# Altium PCB PCB3.PcbDoc
Units mm, origin at the board's own origin, x right, y up, seen from the top; angles counter-clockwise.
Board outline 90 x 150 mm, 4 copper layers (Top Layer, Internal Plane 1, Internal Plane 2, Bottom Layer), stack 0.462 mm thick; 102 components, 77 nets, 385 pads, 121 vias.
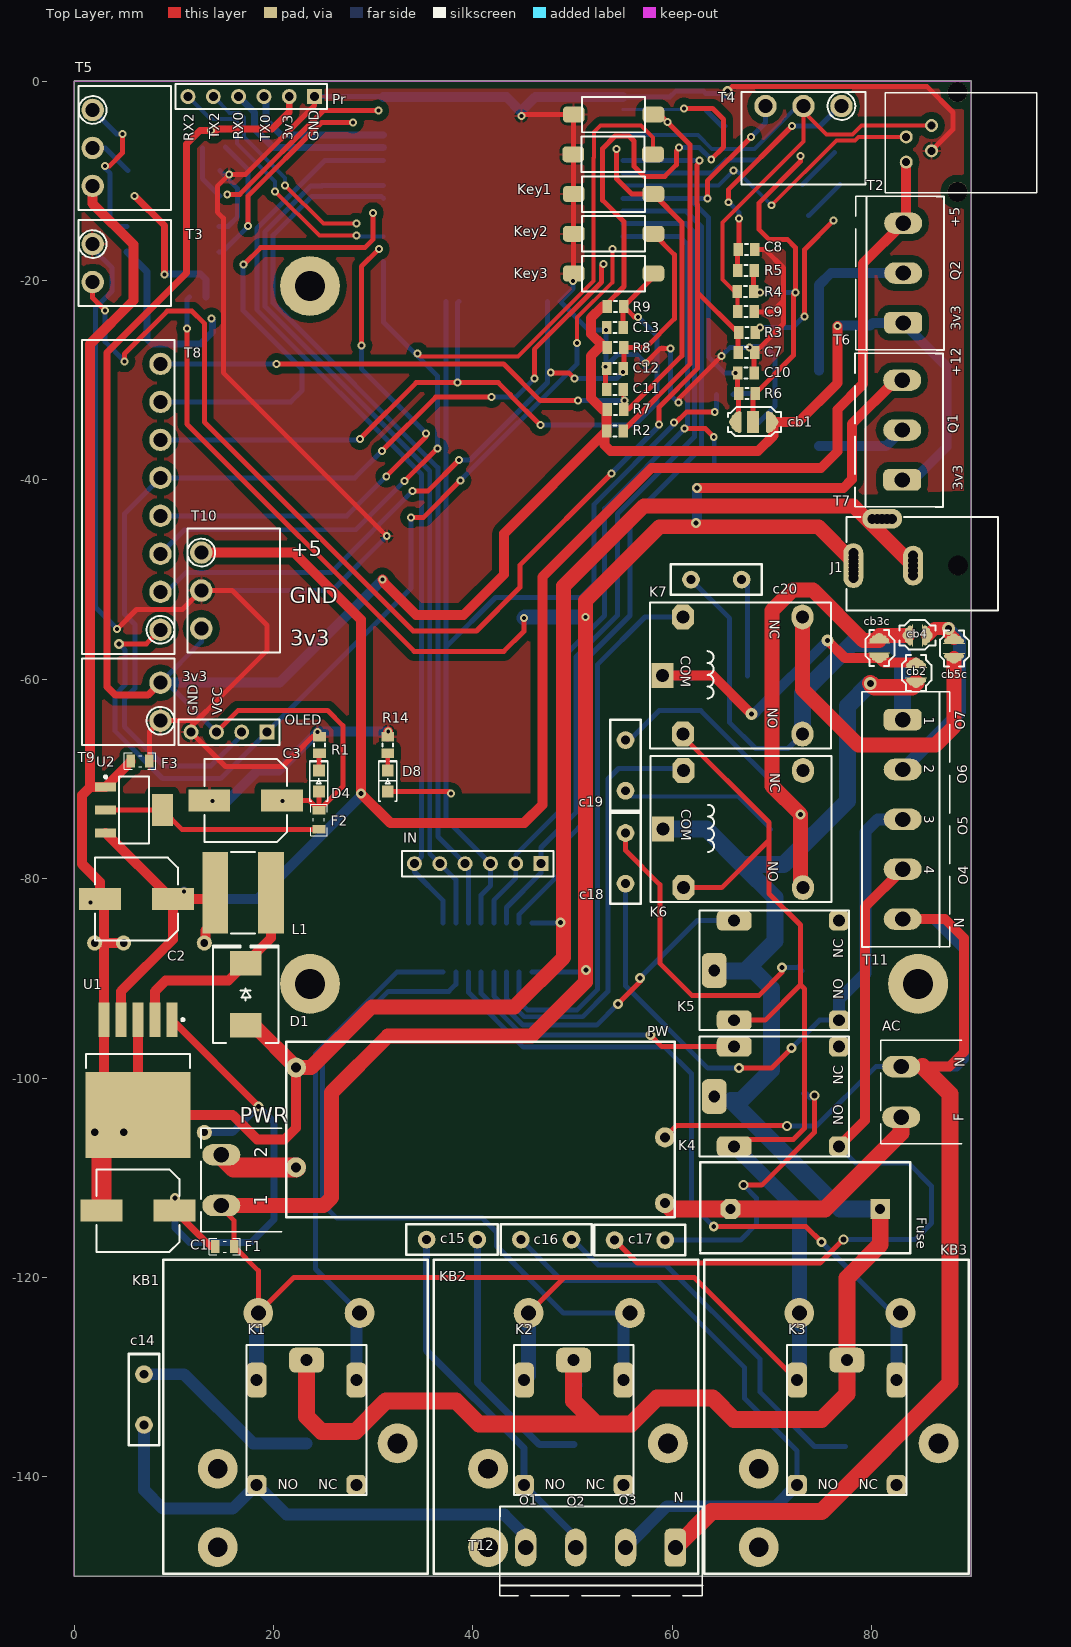
[diagram p0: Top Layer view]
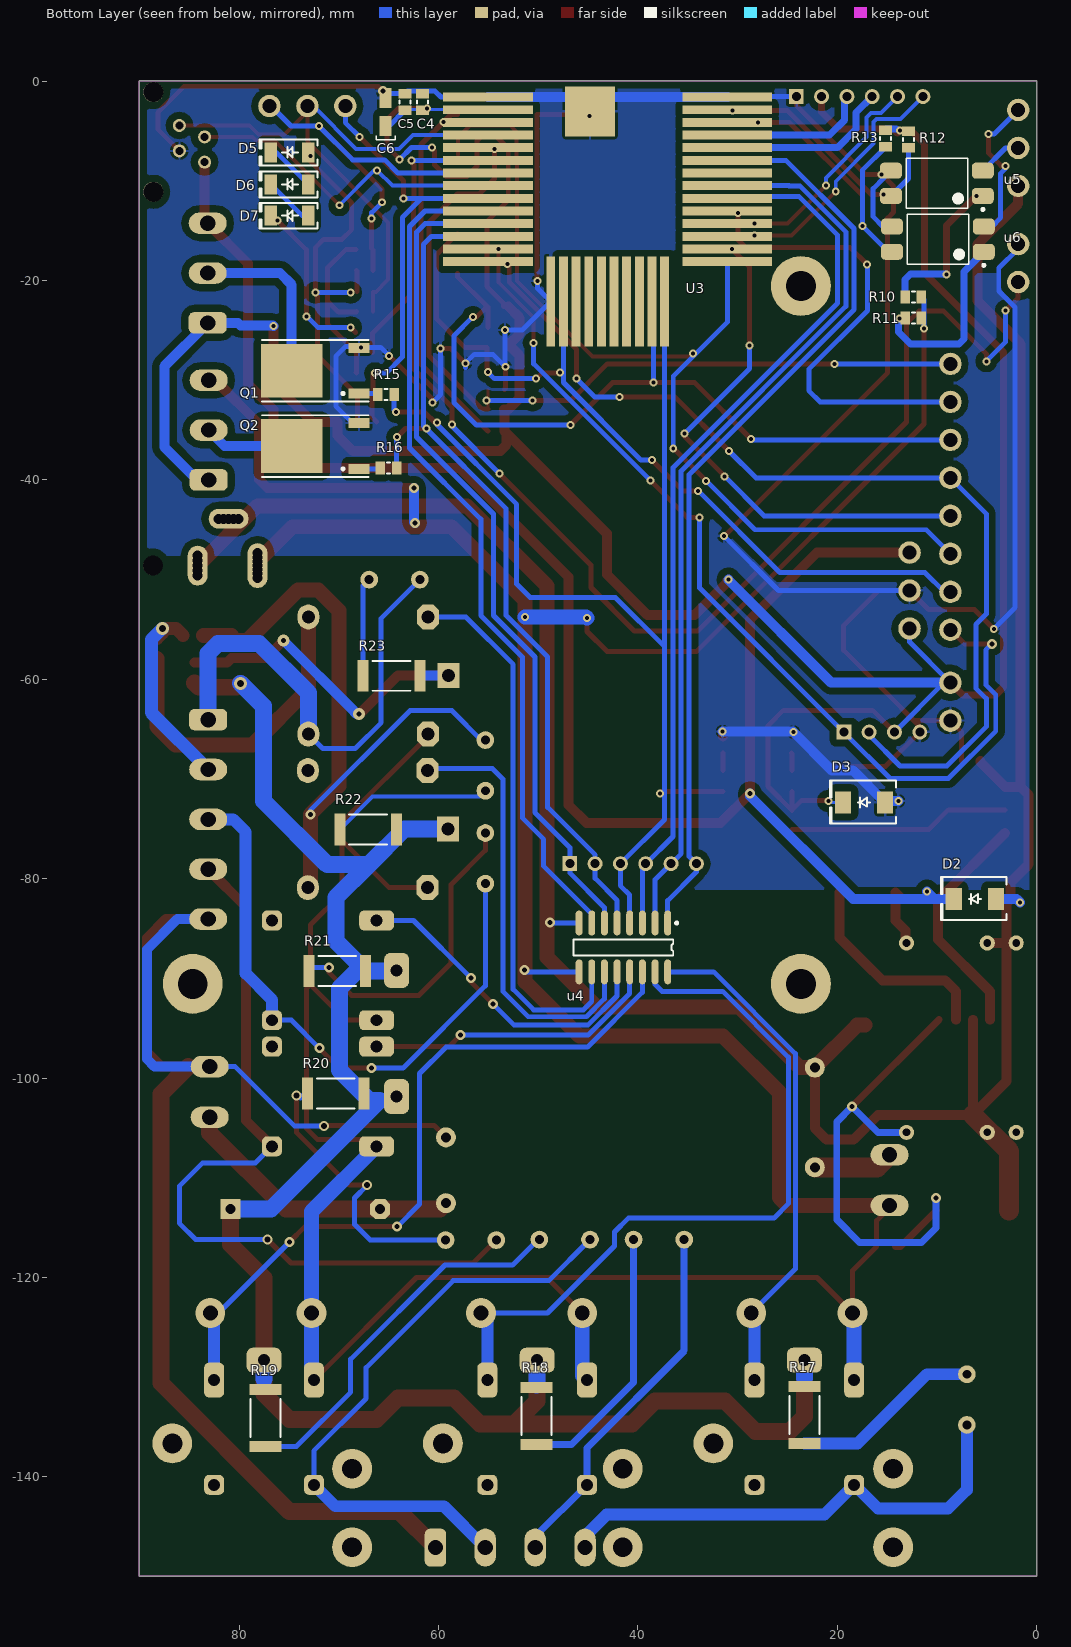
[diagram p1: Bottom Layer view, seen from below]
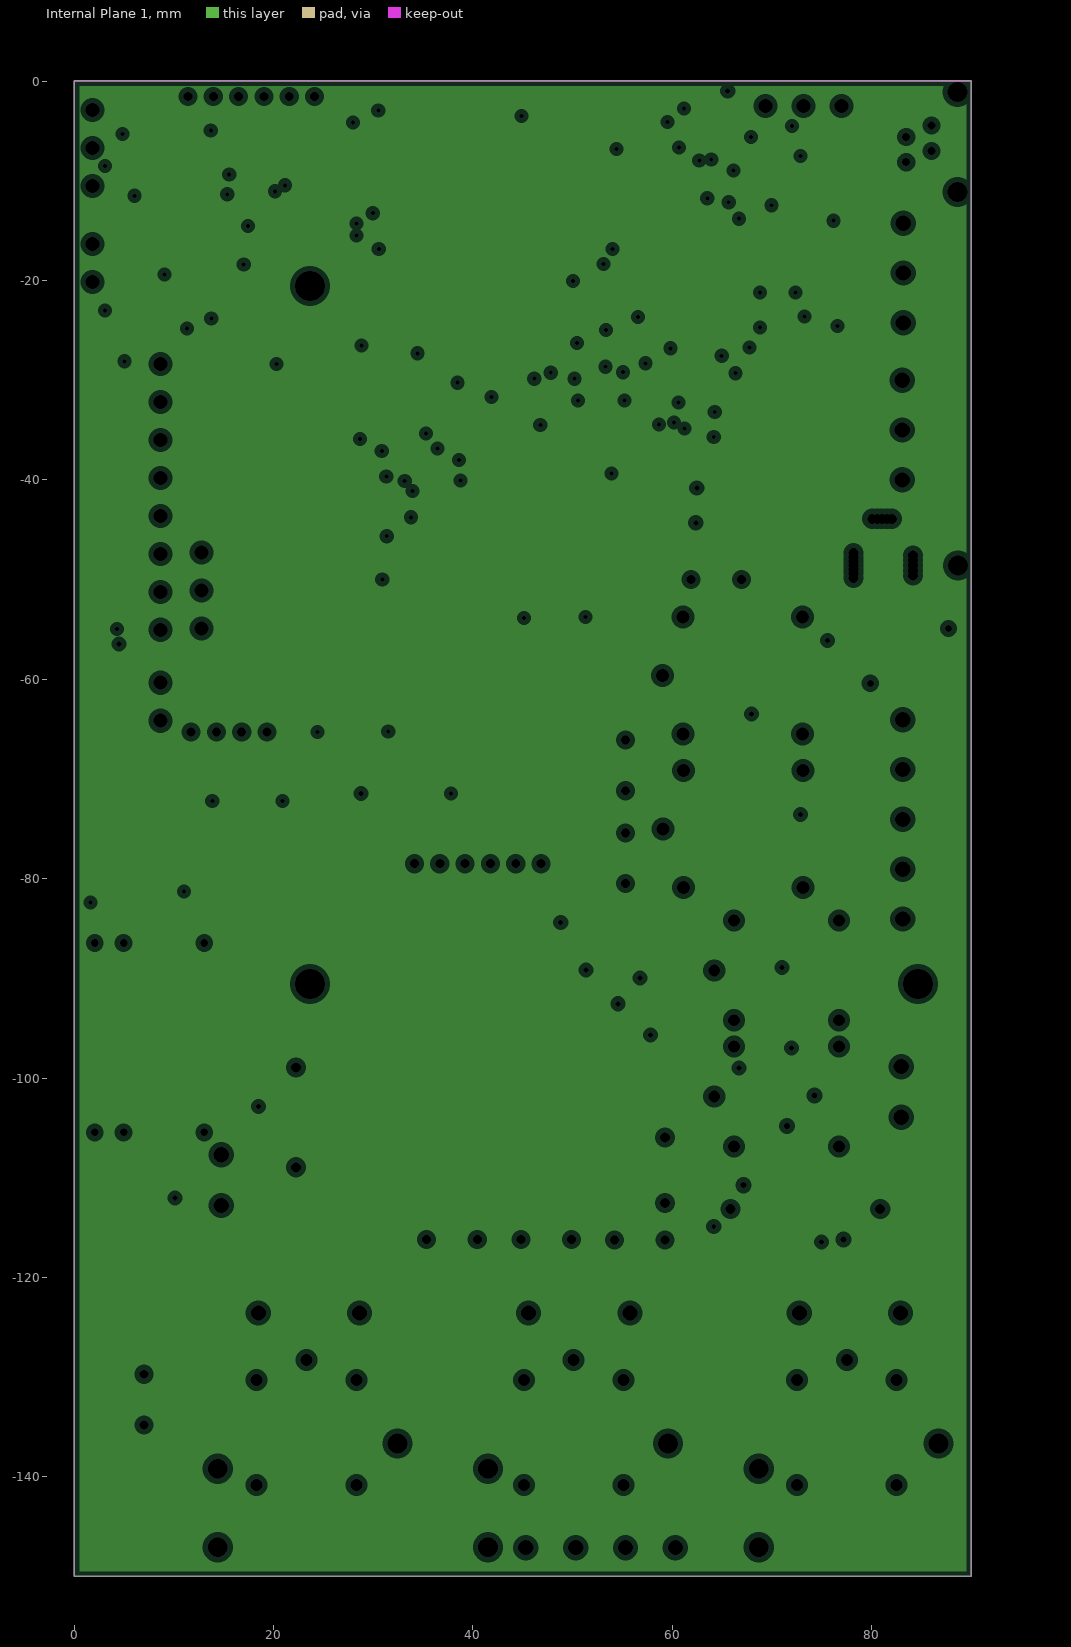
[diagram p2: Internal Plane 1, clearances drawn from the general rule]
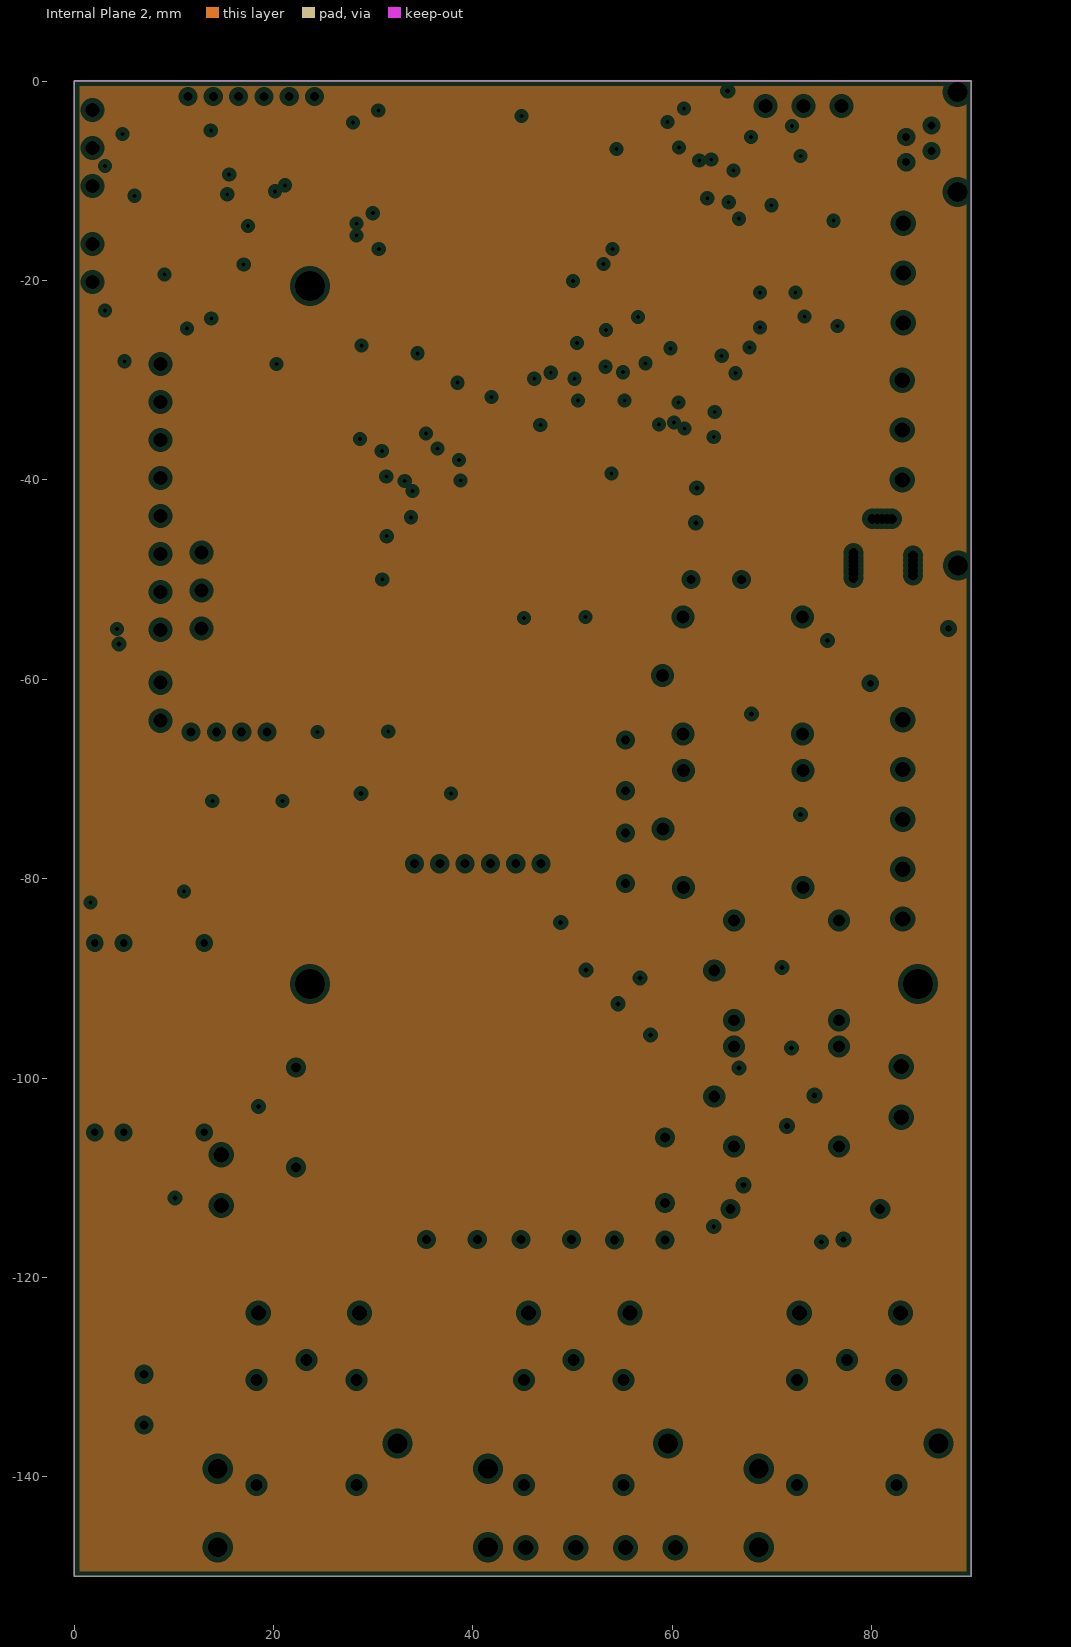
[diagram p3: Internal Plane 2, clearances drawn from the general rule]
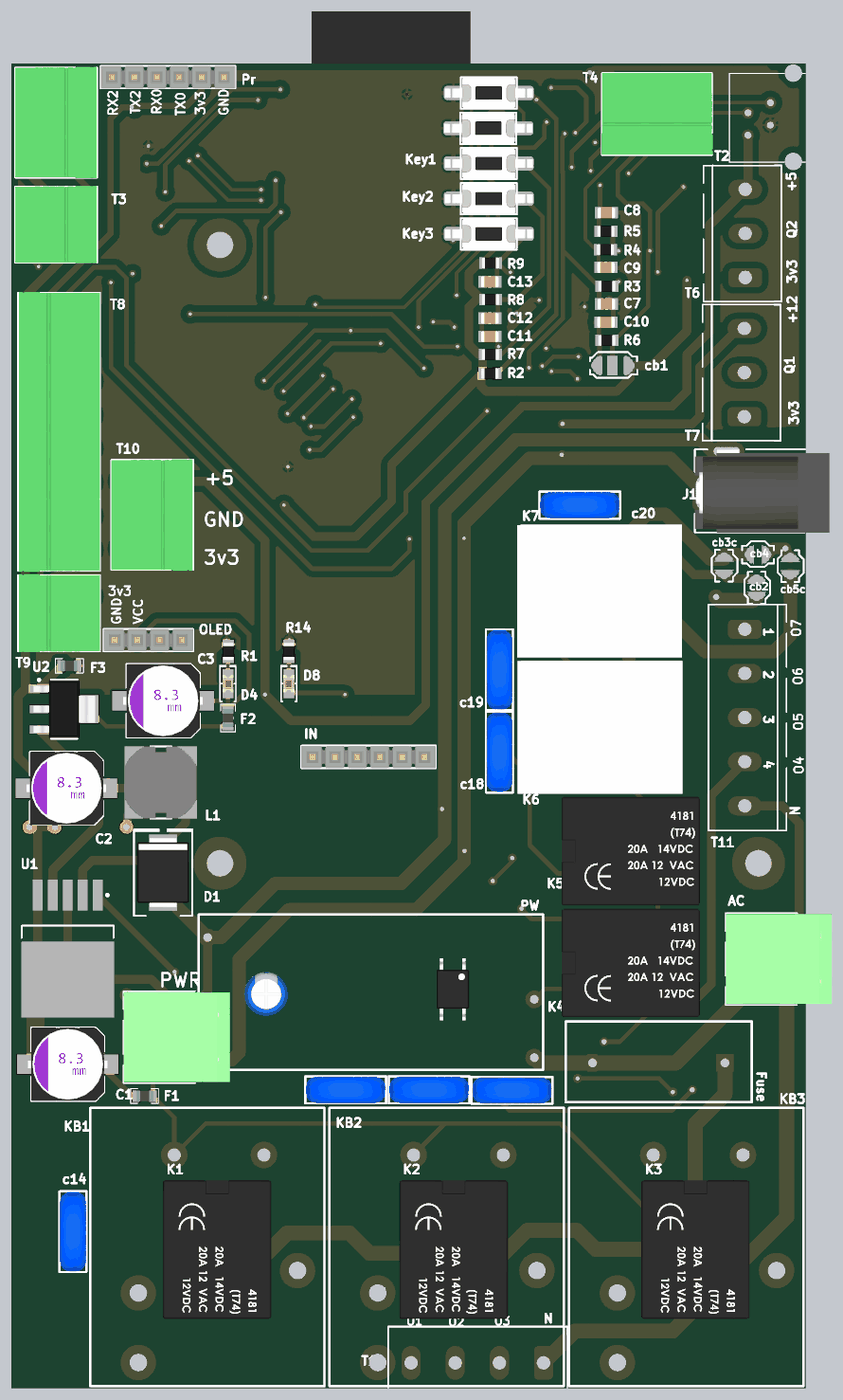
[diagram p4: 3D render of the assembled board from above, using the file's embedded part models]
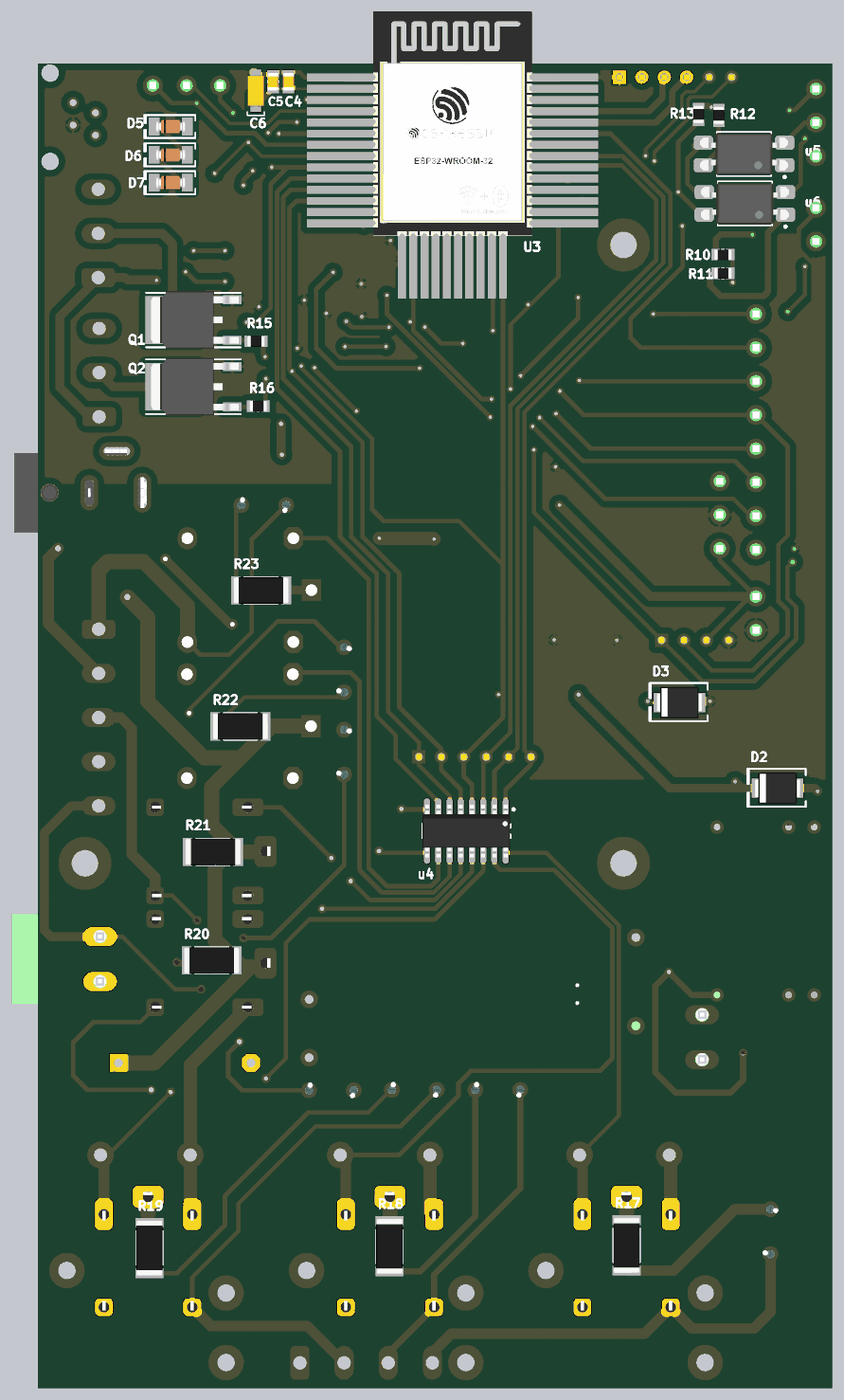
[diagram p5: 3D render of the assembled board from below, using the file's embedded part models]

## Layer stack, top to bottom
Top Solder: solder mask 0.0102, Solder Resist, Dk 3.5
Top Layer: signal copper 0.0356
Internal Plane 1: plane copper 0.0356
Internal Plane 2: plane copper 0.0356
Dielectric 1: dielectric 0.32, FR-4, Dk 4.8
Bottom Layer: signal copper 0.0356
Bottom Solder: solder mask 0.0102, Solder Resist, Dk 3.5

## Board outline
0,-149.987 90,-149.987 90,0.013 0,0.013

## Design rules (kind name [scope] priority, off if disabled: settings)
Clearance [All] p1: gap=0.2 ignorepadtopadclearanceinfootprint=FALSE except(0.7: Arc-Poly Track-Poly SMDPad-Poly THPad-Poly Via-Poly Fill-Poly Poly-Poly)
PlaneClearance [All] p1: clearance=0.508
PlaneConnect [All] p1: planeconnectstyle=Relief reliefexpansion=0.508 reliefentries=4 reliefconductorwidth=0.254 reliefairgap=0.254
PolygonConnect [All] p1: connectstyle=Relief reliefconductorwidth=0.254 reliefentries=4 polygonreliefangle="90 Angle" airgapwidth=0.254
RoutingVias [All] p1: holewidth=0.6 width=1 viastyle="Through Hole" minholewidth=0.3 minwidth=0.8 maxholewidth=0.711 maxwidth=1.5
SolderMaskExpansion [All] p1: expansion=0.102 istentingtop=FALSE
Width [All] p1: maxlimit=2 minlimit=0.2 preferedwidth=0.7 minimp=50.000000 maximp=50.000000 favimp=50.000000
28 further rules are at their usual default settings.

## Components (designator, comment, footprint, x,y, rotation, side; value= is the part's Value field where it differs from the comment)
AC "" "MSTB 2,5/2-G-5,08" 82.95,-101.39 r90 top
C1 "1000uF" "CAP ALSMD POLY 8.3MM H10.5MM" 6.4,-113.3 r180 top
C2 "220uF" "CAP ALSMD POLY 8.3MM H10.5MM" 6.25,-82.05 r180 top
C3 "1000uF" "CAP ALSMD POLY 8.3MM H10.5MM" 17.2,-72.15 r180 top
C4 "100nF" SMD_CAP_0805#1 61.6,-1.25 r270 bottom
C5 "10uF" SMD_CAP_0805#1 63.35,-1.25 r270 bottom
C6 "10uF-Tan" "CAPP 1206 (3216X18L) Size A" 65.3,-4.5 r90 bottom
C7 "100nF" SMD_CAP_0805#2 68.25,-27.233 r180 top
C8 "100nF" SMD_CAP_0805#2 68.25,-16.9 r180 top
C9 "100nF" SMD_CAP_0805#2 66.55,-23.1 r0 top
C10 "100nF" SMD_CAP_0805#2 66.55,-29.3 r0 top
C11 "100nF" SMD_CAP_0805#2 55.05,-30.915 r180 top
C12 "100nF" SMD_CAP_0805#2 53.4,-28.848 r0 top
C13 "100nF" SMD_CAP_0805#2 53.4,-24.715 r0 top
c14 "100nF" CAP-20 7,-132.25 r270 top
c15 "100nF" CAP-20 37.89,-116.2 r180 top
c16 "100nF" CAP-20 47.34,-116.2 r180 top
c17 "100nF" CAP-20 56.74,-116.25 r180 top
c18 "100nF" CAP-20 55.3,-77.96 r270 top
c19 "100nF" CAP-20 55.3,-68.64 r90 top
c20 "100nF" CAP-20 64.41,-50 r180 top
cb1 "Part Number" "CoffeBean 2w" 69.116,-34.2 r180 top
cb2 "Part Number" CoffeBean 84.45,-59.35 r90 top
cb3c "Part Number" CoffeBean 80.75,-56.866 r90 top
cb4 "Part Number" CoffeBean 84.592,-55.6 r180 top
cb5c "Part Number" CoffeBean 88.25,-56.916 r90 top
D1 "SS34" "DO214AB SMC" 17.2,-91.6 r90 top
D2 "TVS5.0" "ST DO214AA SMB" 6.2,-82.05 r0 bottom
D3 "TVS3.3" "ST DO214AA SMB" 17.31,-72.35 r0 bottom
D4 "" "LED 0805_2012 RED" 24.55,-70.2 r90 top
D5 "1n4148" "SOD-80 MiniMELF" 74.95,-7.15 r0 bottom
D6 "1n4148" "SOD-80 MiniMELF" 74.95,-10.35 r0 bottom
D7 "1n4148" "SOD-80 MiniMELF" 74.95,-13.5 r0 bottom
D8 "" "LED 0805_2012 RED" 31.45,-70.2 r90 top
F1 "Ferrite Bead SMD" FB0805 15.1,-116.9 r180 top
F2 "Ferrite Bead SMD" FB0805 24.55,-74.1 r270 top
F3 "Ferrite Bead SMD" FB0805 6.6,-68.2 r180 top
FLASH "Switch PB" "TE FSMSMTR" 54.05,-7.338 r270 top
Fuse "F=1.0 A" FUSAD2722W65L2250D600 65.85,-113.15 r0 top
IN "Header 6" HDR1X6 46.83,-78.5 r180 top
J1 "Power Jack" "Power Jack" 92.65,-48.6 r180 top
K1 "Relay" "Relay mini milon" 23.3,-134.55 r0 top
K2 "Relay" "Relay mini milon" 50.1,-134.55 r0 top
K3 "Relay" "Relay mini milon" 77.5,-134.55 r0 top
K4 "Relay" "Relay mini milon" 70.45,-101.85 r90 top
K5 "Relay" "Relay mini milon" 70.45,-89.2 r90 top
K6 "Relay" "Relay milon" 66.075,-75.025 r270 top
K7 "Relay" "Relay milon" 66.025,-59.625 r270 top
KB1 "Relay" Relay-NT90 32.434,-136.65 r180 top locked
KB2 "Relay" Relay-NT90 59.55,-136.65 r180 top locked
KB3 "Relay" Relay-NT90 86.7,-136.65 r180 top locked
Key1 "Switch PB" "TE FSMSMTR" 54.1,-11.325 r90 top
Key2 "Switch PB" "TE FSMSMTR" 54.1,-15.313 r270 top
Key3 "Switch PB" "TE FSMSMTR" 54.1,-19.3 r270 top
L1 "33uH" "BOURNS SRN8040" 16.95,-81.4 r180 top
OLED "Header 4" HDR1X4 19.34,-65.3 r180 top
Pr "Header 6" HDR1X6 24.11,-1.55 r180 top
PW "12V04" 12V750ma 60.25,-113.95 r180 top
PWR "PHOENIX" "MSTB 2,5/2-G-5,08" 14.75,-110.24 r90 top
Q1 "MJE13003" TO-252 71.35,-29.05 r270 bottom
Q2 "MJE13003" TO-252 71.35,-36.6 r270 bottom
R1 "33" "RES 0805 (2012X06L)"#1 24.6,-67.4 r90 top
R2 "10K" "RES 0805 (2012X06L)"#1 55.05,-35.1 r180 top
R3 "?K" "RES 0805 (2012X06L)"#2 68.3,-25.215 r180 top
R4 "?K" "RES 0805 (2012X06L)"#2 66.5,-21.082 r0 top
R5 "?K" "RES 0805 (2012X06L)"#2 66.55,-19.015 r0 top
R6 "?K" "RES 0805 (2012X06L)"#2 66.65,-31.35 r0 top
R7 "10K" "RES 0805 (2012X06L)"#2 53.45,-32.95 r0 top
R8 "10K" "RES 0805 (2012X06L)"#2 53.473,-26.733 r0 top
R9 "10K" "RES 0805 (2012X06L)"#2 53.473,-22.6 r0 top
R10 "1.2k" "RES 0805 (2012X06L)"#2 13.2,-21.65 r180 bottom
R11 "1.2k" "RES 0805 (2012X06L)"#2 13.2,-23.75 r180 bottom
R12 "10K" "RES 0805 (2012X06L)"#2 12.85,-6.7 r90 bottom
R13 "10K" "RES 0805 (2012X06L)"#2 15.15,-6.6 r90 bottom
R14 "33" "RES 0805 (2012X06L)"#1 31.45,-67.4 r90 top
R15 "1k" "RES 0805 (2012X06L)"#2 64.45,-31.45 r0 bottom
R16 "1k" "RES 0805 (2012X06L)"#2 64.2,-38.8 r0 bottom
R17 "22" "RES 2512 (6331X07L)" 23.3,-133.8 r270 bottom
R18 "22" "RES 2512 (6331X07L)" 50.15,-133.9 r270 bottom
R19 "22" "RES 2512 (6331X07L)" 77.35,-134.1 r270 bottom
R20 "22" "RES 2512 (6331X07L)" 70.3,-101.55 r0 bottom
R21 "22" "RES 2512 (6331X07L)" 70.15,-89.25 r0 bottom
R22 "22" "RES 2512 (6331X07L)" 67.05,-75.05 r0 bottom
R23 "22" "RES 2512 (6331X07L)" 64.7,-59.65 r0 bottom
RST "Switch PB" "TE FSMSMTR" 54.1,-3.35 r90 top
T2 "Rj10" RJ10 83.901,-6.862 r0 top
T3 "FCI-381-2P" "FCI 06-381-2PIN" 5.15,-18.25 r270 top
T4 "FCI-381-3P" "FCI 06-381-3PIN" 73.15,-5.8 r180 top
T5 "FCI-381-3P" "FCI 06-381-3PIN" 5.15,-6.7 r270 top
T6 "Water" "MSTBV 2,5/3-G-5" 83.15,-19.25 r90 top
T7 "Water" "MSTBV 2,5/3-G-5" 83.05,-35 r90 top
T8 "TFT" "FCI 06-381-8PIN" 5.35,-41.7 r90 top
T9 "PWR" "FCI 06-381-2PIN" 5.35,-62.25 r90 top
T10 "FCI-381-3P" "FCI 06-381-3PIN" 16.05,-51.1 r270 top
T11 "CON_Phoenix_MSTBV_05" "MSTBV 2,5/5-G-5" 83.1,-74.05 r270 top
T12 "CON_Phoenix_MSTBV_04" "MSTBV 2,5/4-G-5" 52.8,-147.1 r180 top
U1 "LM2596S-ADJ" TS5B_M 6.4,-100.2 r270 top
U2 "AMS1117-3.3V" SOT223-AMS1117 6,-73.1 r0 top
U3 "ESP32-WROOM-32D" "esp32 WROOM-L" 43.022,-6.86 r0 bottom
u4 "ULN2003A" SO16_M 41.45,-86.9 r90 bottom
u5 "PC817" "SMT Gullwing Lead-Form"#1 10,-10.25 r0 bottom
u6 "PC817" "SMT Gullwing Lead-Form"#2 9.9,-15.85 r0 bottom

## Footprints (in the part's own frame and the unit in brackets; to place one, negate y for a bottom-side part, rotate by r counter-clockwise, add the part's x,y. Pads: shape width x height; smd on the part's side, far side on the other; paste and mask are expansions set on the pad)
12V750ma [mm]
  round 2 hole 1 mask+0.102: +(38,-5) -(38,-15) L(1,-8) N(1,-1.4)
  silkscreen extent 0,-17.6 39,0, body extent 8.38,-16.59 33.87,-0.43, height 15.3
"BOURNS SRN8040" [mm] "Power Inductor, 2-Leads, Bourns, SRN8040-220M"
  rect 2.6x8.2 smd mask+0.102: 1(-2.8,0) 2(2.8,0)
  silkscreen extent -1.2,-4.07 1.2,4.08, body extent -4.08,-4.07 4.07,4.08, height 4
"CAP ALSMD POLY 8.3MM H10.5MM" [mm] "Aluminum Electrolytic Capacitor, Body 8.30x8.30x10.5mm"
  rect 4.2x2.2 smd: 1(-3.65,0) 2(3.65,0)
  silkscreen extent -4.15,-4.15 4.15,4.15, body extent -4.5,-4.15 4.5,4.15, height 10.5
CAP-20 [mil]
  round 70 hole 35.43 mask+0: 1(-100,0) 2(100,0)
  silkscreen extent -180,-60 180,60, body extent -177,-59 177,59, height 491
"CAPP 1206 (3216X18L) Size A" [mm] "Chip Capacitor, 2-Leads, Body 3.2x1.6mm, IPC High Density, chip Tantalum"
  rect 1.999x1.199 smd: 1(0,0) 2(2.8,0)
  silkscreen extent -1.38,-0.97 -0.99,0.97, body extent -0.43,-0.9 3.21,0.9, height 1.8
CoffeBean [mm] "1 kOhms RTD Platinum ±0.3% ±3850ppm/°C -50°C ~ 130°C, 2-Leads, Body 2.30x1.40mm, IPC Medium Density"
  oval 0.5x1.5 smd mask+0.102: 1(-1.016,0) 2(1.016,0)
  round 1 smd mask+0.102: 1(-1.016,0) 2(1.016,0)
  oval 0.5x2 smd mask+0.102: 1(-0.762,0) 2(0.762,0)
  oval 0.1x2.2 smd mask+0.102: 1(-0.508,0) 2(0.508,0)
  silkscreen extent -1.8,-1.52 1.8,1.4
"CoffeBean 2w" [mm] "1 kOhms RTD Platinum ±0.3% ±3850ppm/°C -50°C ~ 130°C, 2-Leads, Body 2.30x1.40mm, IPC Medium Density"
  rect 1.2x2.2 smd mask+0.102: 1(1.016,0)
  oval 0.5x2.2 smd mask+0.102: 2(2.413,0) 3(-0.508,0)
  oval 0.5x2 smd mask+0.102: 2(2.667,0) 3(-0.762,0)
  oval 0.5x1.5 smd mask+0.102: 2(2.921,0) 3(-1.016,0)
  round 1 smd mask+0.102: 2(2.921,0) 3(-1.016,0)
  silkscreen extent -1.8,-1.52 3.56,1.4
"DO214AB SMC" [mm] "Molded Diode, 2-Leads, Body 6.85x5.90mm, IPC Medium Density"
  rect 2.45x3.15 smd mask+0.102: 1(-3.1,0) 2(3.1,0)
  silkscreen extent -4.9,-3.3 4.9,3.3, body extent -3.97,-2.95 3.97,2.95, height 2.6
"esp32 WROOM-L" [mm]
  rect 9x0.9 smd mask+0.102: 1(12,-5.26) 2(12,-3.99) 3(12,-2.72) 4(12,-1.45) 5(12,-0.18) 6(12,1.09) 7(12,2.36) 8(12,3.63) 9(12,4.9) 10(12,6.17) 11(12,7.44) 12(12,8.71) 13(12,9.98) 14(12,11.25) 25(-12,11.25) 26(-12,9.98) 27(-12,8.71) 28(-12,7.44) 29(-12,6.17) 30(-12,4.9) 31(-12,3.63) 32(-12,2.36) 33(-12,1.09) 34(-12,-0.18) 35(-12,-1.45) 36(-12,-2.72) 37(-12,-3.99) 38(-12,-5.26)
  rect 0.9x9 smd mask+0.102: 15(5.715,15.25) 16(4.445,15.25) 17(3.175,15.25) 18(1.905,15.25) 19(0.635,15.25) 20(-0.635,15.25) 21(-1.905,15.25) 22(-3.175,15.25) 23(-4.445,15.25) 24(-5.715,15.25)
  rect 5x5 smd: 39(1.778,-3.81)
  body extent -9,-12.8 9,12.7, height 2.84
FB0805 [mm] "Ferrite Chip Bead SMD 0805-Design:Ali Hafizi"
  rect 0.85x1.3 smd: 1(-0.95,0) 2(0.95,0)
  silkscreen extent -1.57,-0.82 1.58,0.83, body extent -1,-0.63 1,0.62, height 0.85
"FCI 06-381-2PIN" [mm] "FCI Pluggable Terminal Block"
  round 2.25 hole 1.4 mask+0.102: 1(-1.905,-3.302) 2(1.905,-3.302)
  silkscreen extent -4.32,-4.7 4.32,4.57, body extent -4.4,-4.7 4.4,4.5, height 7.6
"FCI 06-381-3PIN" [mm] "FCI Pluggable Terminal Block"
  round 2.25 hole 1.4 mask+0.102: 1(-3.81,-3.302) 2(0,-3.302) 3(3.81,-3.302)
  silkscreen extent -6.22,-4.7 6.22,4.57, body extent -6.31,-4.7 6.31,4.5, height 7.6
"FCI 06-381-8PIN" [mm] "FCI Pluggable Terminal Block"
  round 2.25 hole 1.4 mask+0.102: 1(-13.335,-3.302) 2(-9.525,-3.302) 3(-5.715,-3.302) 4(-1.905,-3.302) 5(1.905,-3.302) 6(5.715,-3.302) 7(9.525,-3.302) 8(13.335,-3.302)
  silkscreen extent -15.75,-4.7 15.75,4.57, body extent -15.83,-4.7 15.83,4.5, height 7.6
FUSAD2722W65L2250D600 [mm]
  oct 2x2 hole 1 mask+0.102: 1(0,0)
  rect 2x2 hole 1 mask+0.102: 2(15,0)
  silkscreen extent -3.05,-4.44 18.03,4.7
HDR1X4 [mm] "Connector; Header; 4 Position"
  rect 1.5x1.5 hole 0.9 mask+0.102: 1(0,0)
  round 1.5 hole 0.9 mask+0.102: 2(2.54,0) 3(5.08,0) 4(7.62,0)
  silkscreen extent -1.27,-1.27 8.89,1.27, body extent -1.27,-1.28 8.89,1.26, height 8.38
HDR1X6 [mm] "Connector; Header; 6 Position"
  rect 1.5x1.5 hole 0.9 mask+0.102: 1(0,0)
  round 1.5 hole 0.9 mask+0.102: 2(2.54,0) 3(5.08,0) 4(7.62,0) 5(10.16,0) 6(12.7,0)
  silkscreen extent -1.27,-1.27 13.97,1.27, body extent -1.26,-1.25 13.98,1.29, height 8.38
"LED 0805_2012 RED" [mm] "Chip Diode, 2-Leads, Body 2.00x1.25mm, IPC Medium Density"
  rect 1.2x1.2 smd: 1(-1.05,0) 2(1.05,0)
  silkscreen extent -2.03,-0.9 2.03,0.9, body extent -1,-0.62 1,0.63, height 0.9
"MSTB 2,5/2-G-5,08" [mil] "Header, Nominal current: 12 A Rated voltage (III/2): 320 V Number of positions: 2 Pitch: 5.08 mm Color: green Contact surface: Tin Assembly: Soldering DESIGNER:ABBAS BASEREH"
  oval 85x150 hole 60 mask+4: 1(-100,0) 2(100,0)
  silkscreen extent -205,-240 205,80, body extent -199,-394 201,79, height 340
"MSTBV 2,5/3-G-5" [mil] "Header, Nominal current: 12 A Rated voltage (III/2): 320 V Number of positions: 3 Pitch: 5mm Color: green Contact surface: Tin Assembly: Soldering  DESIGNER:ABBAS BASEREH"
  rrect50% 85x150 hole 60 mask+4: 1(-196.85,0)
  oval 85x150 hole 60 mask+4: 2(0,0) 3(196.85,0)
  silkscreen extent -303,-161 303,186, body extent -295,-154 295,185, height 473
"MSTBV 2,5/4-G-5" [mil] "Header, Nominal current: 12 A Rated voltage (III/2): 320 V Number of positions: 4 Pitch: 5mm Color: green Contact surface: Tin Assembly: Soldering  DESIGNER ABBAS BASEREH"
  rrect50% 85x150 hole 60 mask+4: 1(-295.28,0)
  oval 85x150 hole 60 mask+4: 2(-98.43,0) 3(98.43,0) 4(295.28,0)
  silkscreen extent -402,-161 398,190, body extent -394,-153 394,186, height 472
"MSTBV 2,5/5-G-5" [mil] "Header, Nominal current: 12 A Rated voltage (III/2): 320 V Number of positions: 5 Pitch: 5mm Color: green Contact surface: Tin Assembly: Soldering  DESIGNER ABBAS BASEREH"
  rrect50% 85x150 hole 60 mask+4: 1(-393.7,0)
  oval 85x150 hole 60 mask+4: 2(-196.85,0) 3(0,0) 4(196.85,0) 5(393.7,0)
  silkscreen extent -504,-161 504,186, body extent -492,-154 492,185, height 472
"Power Jack" [mm] "Power Adaptor Jack"
  round 1.5 hole 1 mask+0.102: 1(14.5,-1.25) 1(14.5,-0.8) 1(14.5,-0.4) 1(14.5,0.4) 1(14.5,0.8) 1(14.5,1.25) 2(8.5,-1) 2(8.5,1) 2(8.5,-0.5) 2(8.5,0.5) 3(10.6,-4.7) 3(11.1,-4.7) 3(12.1,-4.7) 3(12.6,-4.7)